# Altium PCB A_base2017.PcbDoc (part 1 of 4)
Units mil, origin at the board's own origin, x right, y up, seen from the top; angles counter-clockwise.
Board outline 3944.36 x 3947.83 mil, 2 copper layers (Top Layer, Bottom Layer); 105 components, 169 nets, 534 pads, 87 vias.
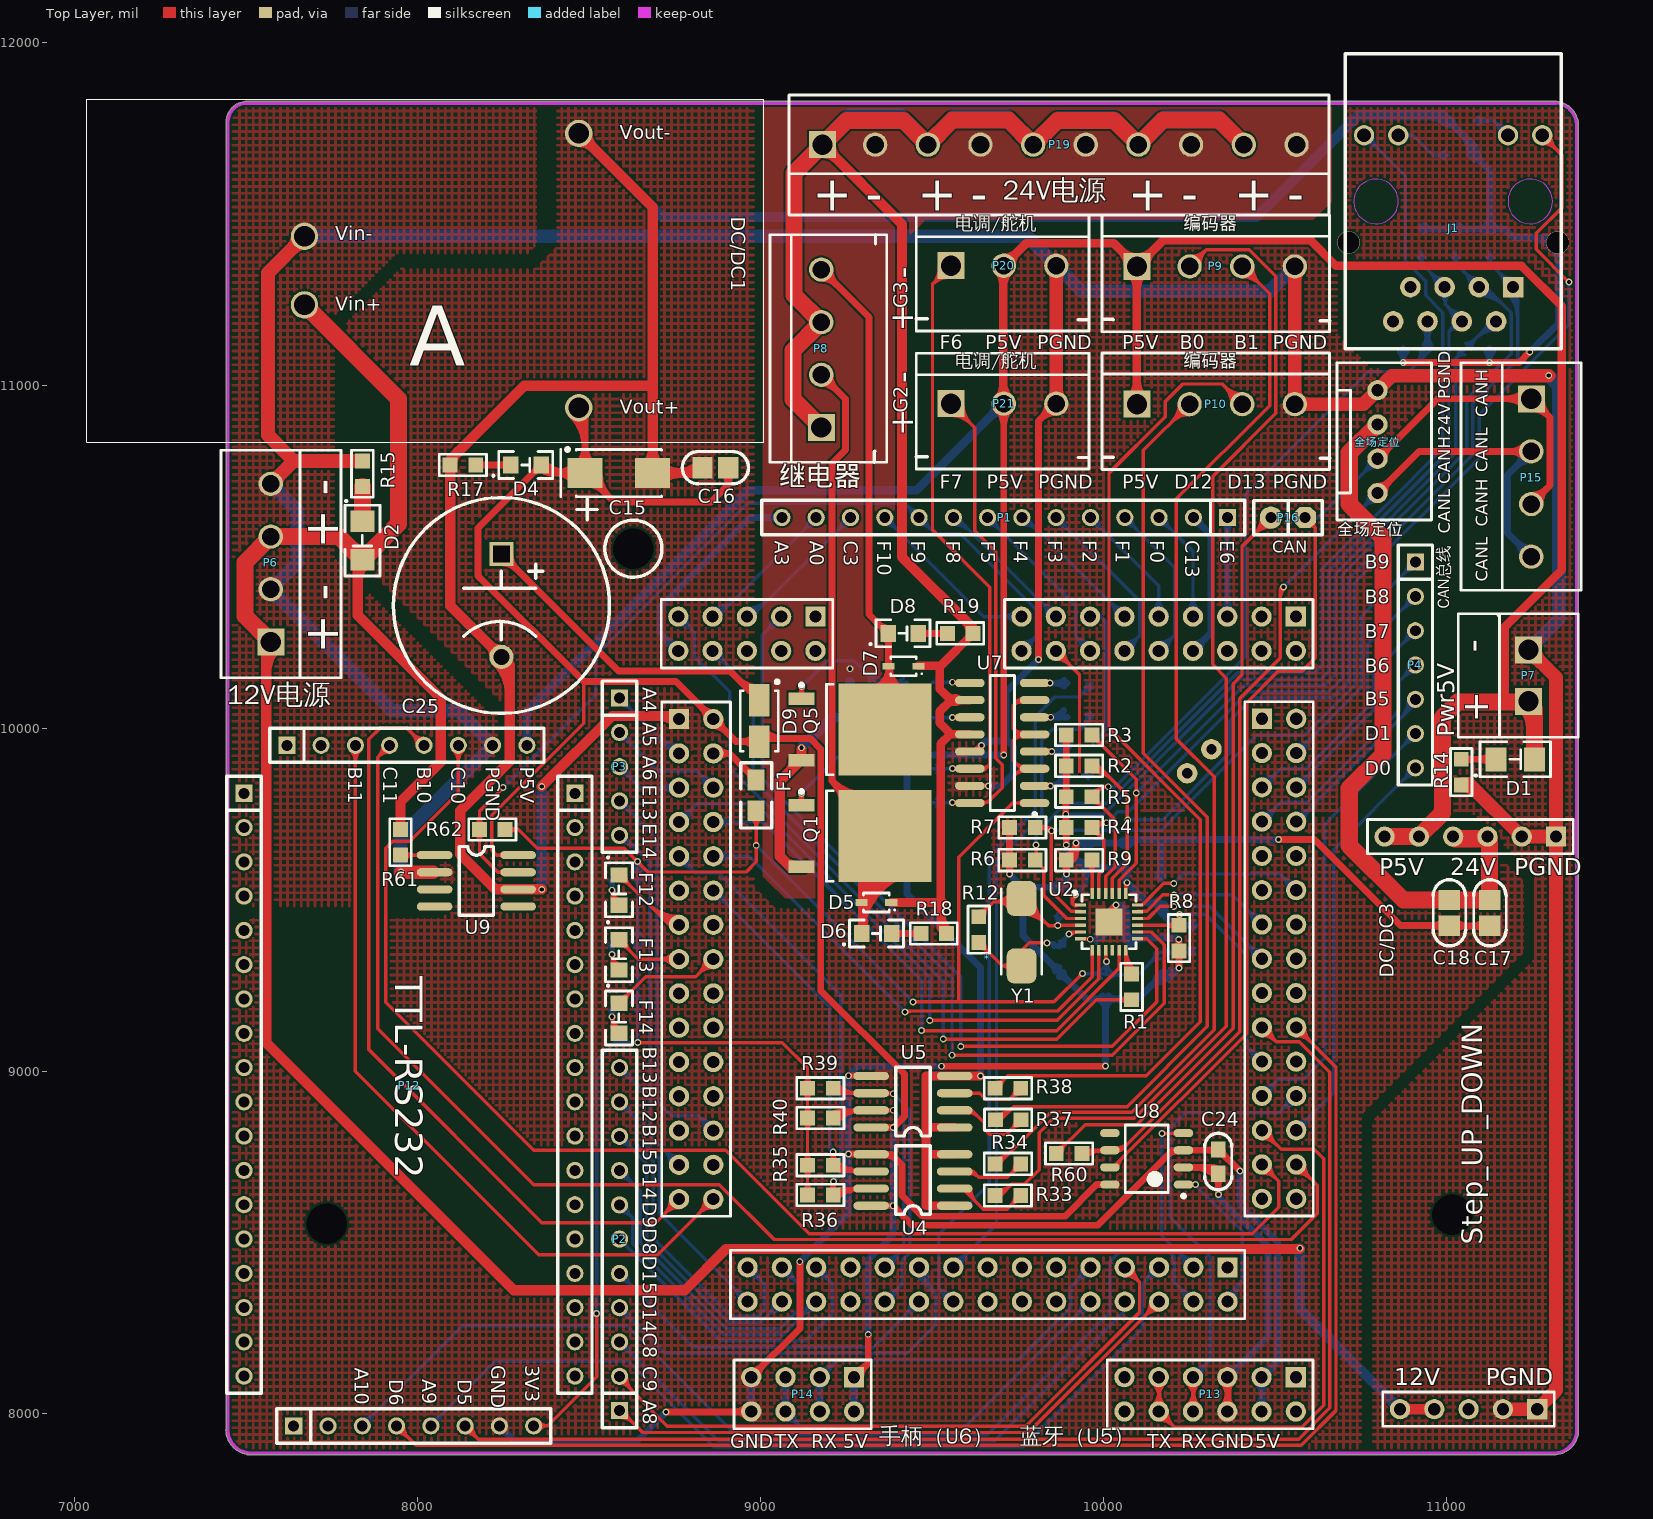
[diagram p0: Top Layer view]
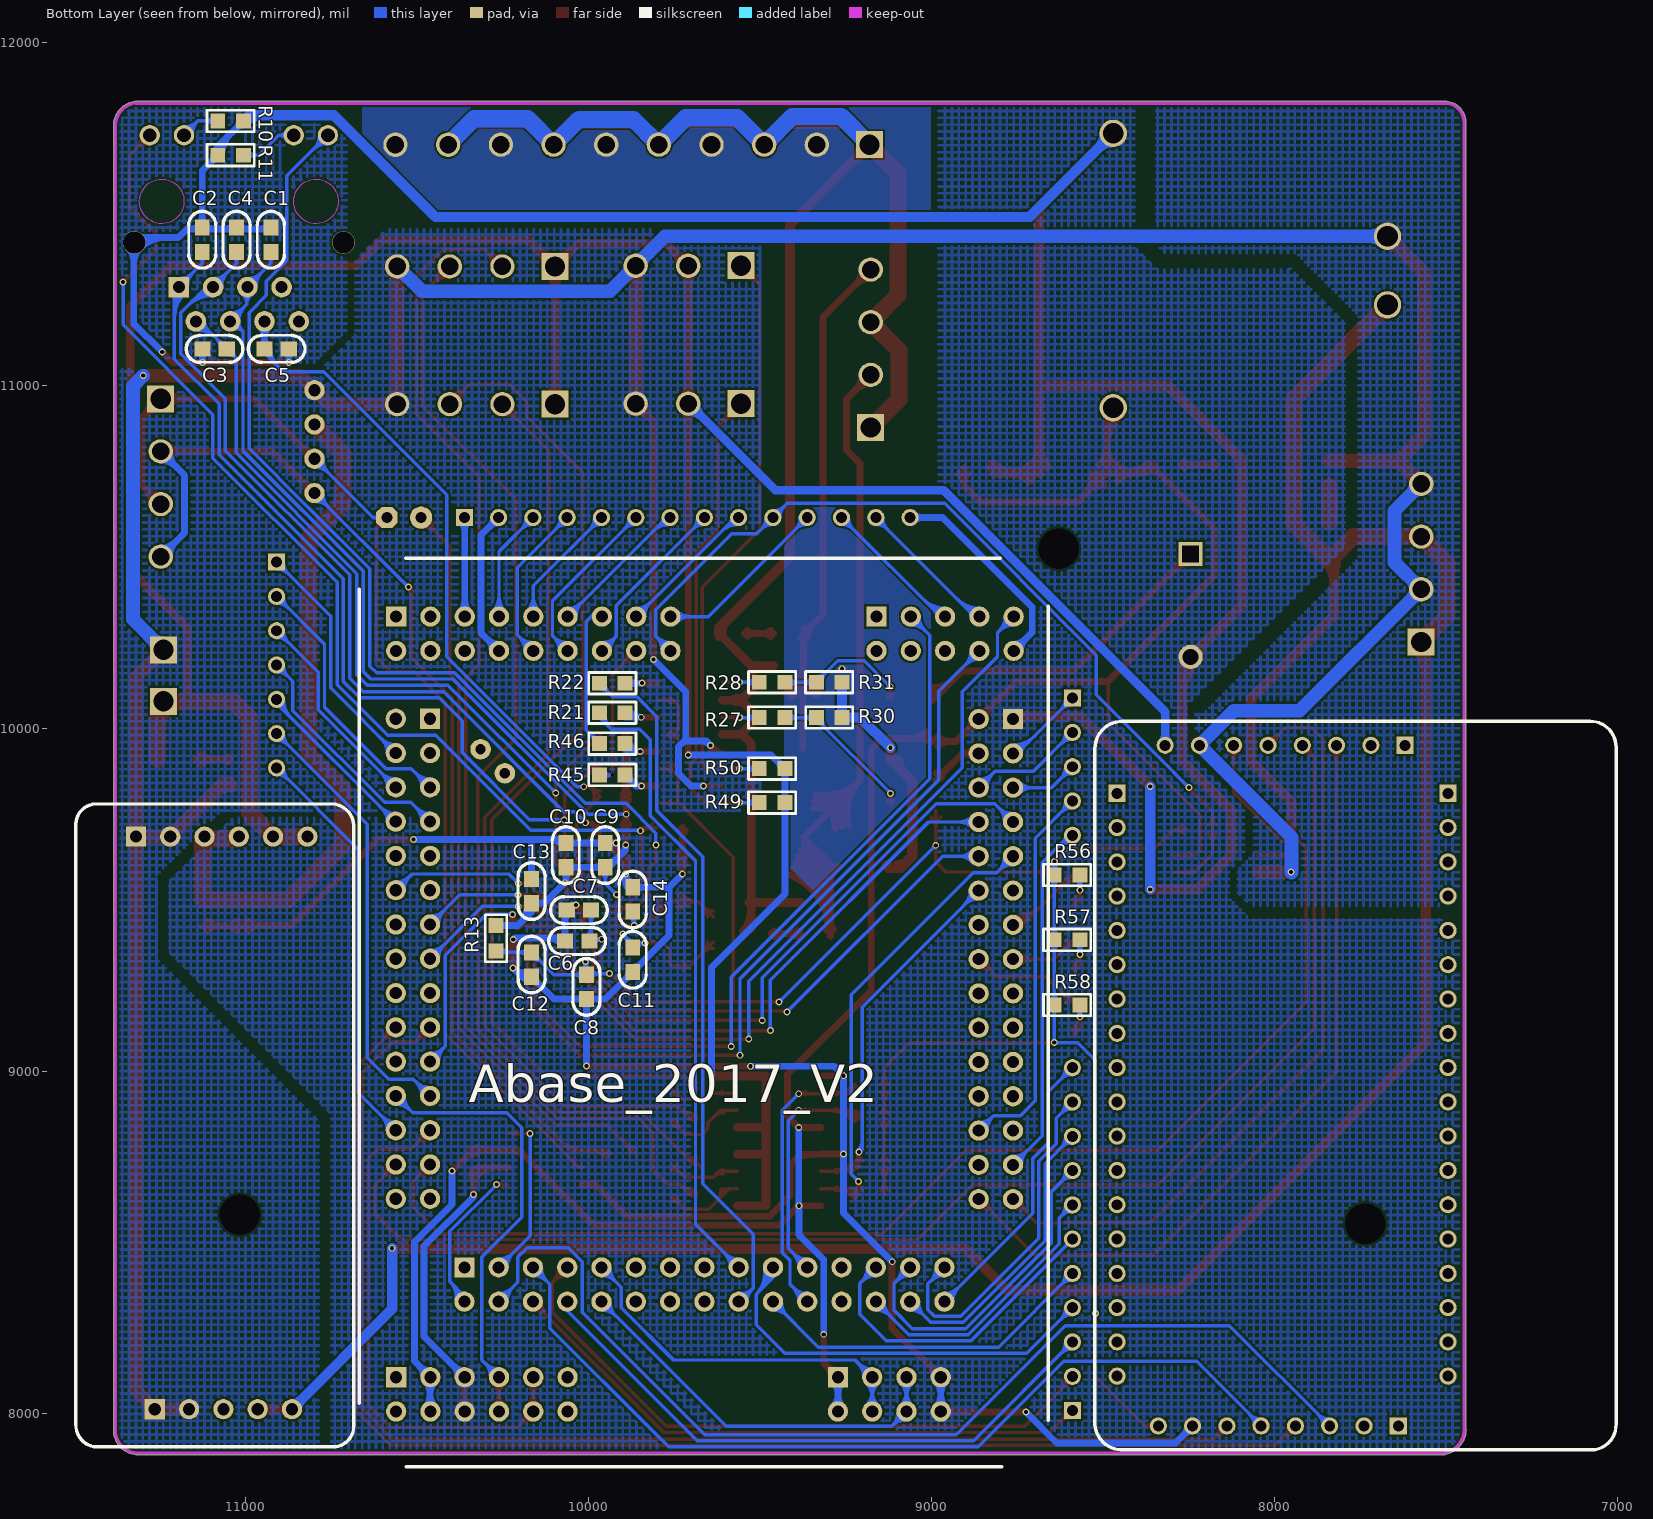
[diagram p1: Bottom Layer view, seen from below]

## Layer stack, top to bottom
Top Layer: signal copper 1.4
Dielectric: dielectric 12.6, FR-4, Dk 4.8
Bottom Layer: signal copper 1.4

## Board outline
7501.15,7882.56 cw(c7512.8,7953.74) 7440.85,7958.89 7440.85,11768.7 cw(c7445.87,11768.7) 7441.66,11771.43 cw(c7501.69,11767.91) 7501.69,11828.05 cw(c7501.69,11823.03) 7503.08,11827.85 11318.26,11827.85 cw(c11320.83,11823.54) 11321.42,11828.52 cw(c11312.99,11756.89) 11383.95,11769.84 cw(c11379.92,11766.85) 11384.94,11766.85 11384.94,11762.04 cw(c11312.99,11756.89) 11385.12,11756.89 cw(c11312.99,11756.89) 11384.94,11751.74 11384.94,7942.91 cw(c11379.92,7942.91) 11383.98,7939.96 cw(c11312.99,7952.76) 11307.84,7880.81 7504.95,7880.81 cw(c7504.95,7885.83)

## Design rules (kind name [scope] priority, off if disabled: settings)
Clearance [All] p1: gap=6
HoleSize [All] p1: absolutevalues=TRUE maxlimit=118.11 minlimit=1 maxpercent=80.000 minpercent=20.000
PolygonConnect [All] p1: connectstyle=Direct reliefconductorwidth=40 reliefentries=4 polygonreliefangle="45 Angle" airgapwidth=10
RoutingVias [All] p1: holewidth=10 width=50 viastyle="Through Hole" minholewidth=10 minwidth=10 maxholewidth=50 maxwidth=50
SolderMaskExpansion [All] p1: expansion=4
Width [All] p1: maxlimit=150 minlimit=8 preferedwidth=10
27 further rules are at their usual default settings.

## Components (designator, comment, footprint, x,y, rotation, side; value= is the part's Value field where it differs from the comment)
* "STM32F407" STM32F407 9751.97,9405.51 r270 top
C1 "223" CAP-MLCC-0603 10926.46,11460.12 r270 bottom
C2 "10pF" CAP-MLCC-0603 11126.46,11460.12 r270 bottom
C3 "10pF" CAP-MLCC-0603 11125.98,11106.3 r180 bottom
C4 "10pF" CAP-MLCC-0603 11026.46,11460.12 r270 bottom
C5 "10pF" CAP-MLCC-0603 10874.02,11106.3 r0 bottom
C6 "0.1μF" CAP-MLCC-0603 10068.3,9379.45 r180 bottom
C7 "10μF" CAP-MLCC-0603 10063.3,9469.45 r180 bottom
C8 "0.1μF" CAP-MLCC-0603 10006.02,9210.24 r90 bottom
C9 "0.1μF" CAP-MLCC-0603 9951.02,9665.24 r270 bottom
C10 "0.1μF" CAP-MLCC-0603 10066.02,9665.24 r270 bottom
C11 "22pF" CAP-MLCC-0603 9871.02,9360.24 r270 bottom
C12 "0.1μF" CAP-MLCC-0603 10166.02,9275.24 r90 bottom
C13 "10μF" CAP-MLCC-0603 10166.02,9560.24 r270 bottom
C14 "22pF" CAP-MLCC-0603 9871.02,9465.24 r90 bottom
C15 "CAP-TAN" CAP-TAN-6032/CAPC 8488.19,10744.09 r180 top
C16 "CAP" CAP-MLCC-0805 8830.71,10759.84 r0 top
C17 "CAP-TAN" CAP-MLCC-0805 11126.97,9499.02 r270 top
C18 "CAP" CAP-MLCC-0805 11008.86,9424.21 r90 top
C24 "0.1μF" CAP-MLCC-0603 10334.65,8771.65 r270 top
C25 "2.2F" CAP-RAD0.3 8244.09,10507.87 r270 top
D1 "LED" LED-1206 11200.79,9909.45 r0 top
D2 "LED" LED-1206 7838.58,10547.24 r270 top
D4 "LED" LED-0805 8271.65,10767.72 r0 top
D5 "ss34" s4肖特基二极管 9337.65,9491.61 r180 top
D6 "(BLUE)" LED-0805 9294.34,9401.06 r0 top
D7 "ss34" s4肖特基二极管 9416.63,10180.62 r180 top
D8 "(BLUE)" LED-0805 9371.65,10276.57 r0 top
D9 "IN****" SS34A 8996,10021 r270 top
DC/DC1 "DC/DC" 12V→5V 7394.69,11959.65 r90 top
DC/DC3 "Step_UP_DOWN" STEP_UP_DOWN 11074.8,8818.9 r90 top
F1 "00-FUSE-500mA" 0805R 8987,9849 r270 top
F12 "LED" LED-0805 8586.61,9571.85 r270 top
F13 "LED" LED-0805 8586.61,9382.87 r270 top
F14 "LED" LED-0805 8586.61,9197.83 r270 top
J1 "HR911105A" HR911105A 11019.68,11536.42 r0 top
P1 "Header 14" SIP14 9614,10634 r180 top
P2 "Header 11" SIP11 8588.58,8561.02 r90 top
P3 "Header 5" SIP5 8588.58,10087.6 r270 top
P4 "Header 7" SIP7 10909.45,10484.25 r270 top
P6 "Header 4" Green_4P 7476.38,10326.77 r90 top
P7 "Header 2" Green_2P 11334.65,10153.54 r270 top
P8 "Header 4" GREE_4P_ST 9228.35,11110.24 r90 top
P9 "Header 4" GREE_4P_ST 10330.71,11295.28 r0 top
P10 "Header 4" GREE_4P_ST 10330.71,10893.7 r0 top
P12 "TTL_RS232_V5" TTL-RS232_V5 7988.19,8988.19 r90 top
P13 "Header 6X2" HDR2X6 10561.02,8107.28 r180 top
P14 "Header 4X2" HDR2X4 9272.64,8107.28 r180 top
P15 "Header 4" Green_4P 11342.52,10885.83 r270 top
P16 "Header 2" SIP2 10488.19,10614.17 r0 top
P19 "Header 10" GREEN_10P 9712.6,11692.91 r0 top
P20 "Header 3" GREEN_3P_ST 9700.79,11295.28 r0 top
P21 "Header 3" GREEN_3P_ST 9700.79,10893 r0 top
Q1 "MOSFET N" LR7843 9290.35,9685.51 r0 top
Q5 "MOSFET N" LR7843 9290.35,9996.06 r0 top
R1 "510Ω" RES-0603 10082,9208 r90 top
R2 "49.9Ω" RES-0603 9966.02,9890.24 r180 top
R3 "49.9Ω" RES-0603 9966.02,9980.24 r180 top
R4 "49.9Ω" RES-0603 9966.02,9710.24 r180 top
R5 "49.9Ω" RES-0603 9966.02,9800.24 r180 top
R6 "10kΩ" RES-0603 9801.02,9615.24 r180 top
R7 "10kΩ" RES-0603 9801.02,9710.24 r180 top
R8 "10kΩ" RES-0603 10220.47,9425.2 r270 top
R9 "12.1kΩ" RES-0603 9966.02,9615.24 r180 top
R10 "510Ω" RES-0603 11006.34,11771.18 r0 bottom
R11 "510Ω" RES-0603 11081.34,11671.18 r180 bottom
R12 "1MΩ" RES-0603 9636.02,9450.24 r270 top
R13 "0Ω" RES-0603 10270,9350 r90 bottom
R14 "5.1K" RES-0603 11043.31,9834.65 r90 top
R15 "15KΩ" RES-0603 7838.58,10779.53 r270 top
R17 "RES" RES-0603 8169.29,10767.72 r180 top
R18 "22.1kΩ" RES-0603 9467.57,9401.06 r0 top
R19 "22.1kΩ" RES-0603 9619.68,10276.57 r180 top
R21 "330Ω" RES-0603 9968,10045 r180 bottom
R22 "330Ω" RES-0603 9968,10131 r180 bottom
R27 "1kΩ" RES-0603 9502,10031 r180 bottom
R28 "1kΩ" RES-0603 9502,10134 r180 bottom
R30 "1kΩ" RES-0603 9260.52,10031 r0 bottom
R31 "1kΩ" RES-0603 9260.72,10134 r0 bottom
R33 "330Ω" RES-0603 9683.63,8636.99 r0 top
R34 "330Ω" RES-0603 9684.06,8729.33 r0 top
R35 "4.7kΩ" RES-0603 9211.61,8725.39 r180 top
R36 "4.7kΩ" RES-0603 9211.61,8638.78 r180 top
R37 "330Ω" RES-0603 9684.63,8857.99 r0 top
R38 "330Ω" RES-0603 9684.06,8949.8 r0 top
R39 "4.7kΩ" RES-0603 9211.61,8949.8 r180 top
R40 "4.7kΩ" RES-0603 9211.61,8863.19 r180 top
R45 "RES" RES-0603 9968,9863.83 r180 bottom
R46 "RES" RES-0603 9968,9955 r180 bottom
R49 "RES" RES-0603 9502,9783 r180 bottom
R50 "RES" RES-0603 9502,9882 r180 bottom
R56 "RES" RES-0603 8566.93,9571.85 r0 bottom
R57 "RES" RES-0603 8566.93,9382.87 r0 bottom
R58 "RES" RES-0603 8566.93,9192.91 r0 bottom
R60 "120Ω" RES-0603 9937.01,8759.84 r180 top
R61 "1kΩ" RES-0603 7949.8,9704.72 r270 top
R62 "4.7kΩ" RES-0603 8254.92,9704.72 r180 top
U2 "LAN8720A" QFN24 10016.02,9435.24 r0 top
U4 "HCPL2630/2631" SOP8 9554.13,8607.28 r180 top
U5 "HCPL2630/2631" SOP8 9554.13,8835.63 r180 top
U7 "TLP281-4" SOIC16 9704.72,9956.81 r180 top
U8 "TJA1050" TJA1050 10125.98,8744.09 r180 top
U9 "HCPL2630/2631" SOP8 8061.02,9629.92 r0 top
Y1 "25MHz" Osc-6032 9761.02,9405.24 r270 top
全场定位 "Header 4" 2510_4P 10799.21,10785.83 r90 top

## Footprints (in the part's own frame and the unit in brackets; to place one, negate y for a bottom-side part, rotate by r counter-clockwise, add the part's x,y. Pads: shape width x height; smd on the part's side, far side on the other; paste and mask are expansions set on the pad)
12V→5V [mil]
  round 80 hole 60: Vin+(-725,-275) Vin-(-525,-275) Vout+(-1025,-1075) Vout-(-225,-1075)
  silkscreen extent -1125,-1615 -125,360
0805R [mil]
  rect 60x50 smd: 1(0,0) 2(90,0)
  silkscreen extent -50,-45 140,45
2510_4P [mm] "白色线座"
  round 1.5 hole 0.9: 1(-2.54,0) 2(0,0) 3(2.54,0) 4(5.08,0)
  silkscreen extent -4.54,-4 7.11,3
CAP-MLCC-0603 [mm]
  rect 1.2x1.1 smd: 1(0,0) 2(1.8,0)
  silkscreen extent -1.2,-1 3,1, body extent 0.02,-0.48 1.77,0.47, height 0.85
CAP-MLCC-0805 [mm]
  rect 1.5x1.6 smd: 1(0,0) 2(1.9,0)
  silkscreen extent -1.5,-1.2 3.4,1.2, body extent -0.15,-0.73 2.05,0.72, height 1.1
CAP-RAD0.3 [mm]
  rect 1.8x1.8 hole 1.2 square: 1(0,0)
  round 1.8 hole 1.2: 2(7.62,0)
  silkscreen extent -4.19,-8 11.81,8
CAP-TAN-6032/CAPC [mm]
  rect 2.6x2.2 smd: 1(0,0) 2(-5,0)
  silkscreen extent -5.65,-1.87 1.8,1.75
GREE_4P_ST [mm]
  rect 2x2 hole 1.5: 1(-5.924,1.306)
  round 1.8 hole 1.3: 2(-2.024,1.306) 3(1.876,1.306) 4(5.776,1.306)
  silkscreen extent -8.51,-3.53 8.36,5.1
Green_2P [mm]
  rect 2x2 hole 1.5: 1(-1.905,-2.413) 2(1.905,-2.413)
  silkscreen extent -4.57,-7.62 4.57,1.27
GREEN_3P_ST [mm]
  rect 2x2 hole 1.5: 1(-3.692,1.359)
  round 1.8 hole 1.3: 2(0.208,1.359) 3(4.108,1.359)
  silkscreen extent -6.28,-3.48 6.52,5.1
Green_4P [mm]
  rect 2x2 hole 1.5: 1(-1.905,-2.413)
  round 1.8 hole 1.3: 2(1.995,-2.413) 3(5.895,-2.413) 4(9.795,-2.413)
  silkscreen extent -4.57,-7.62 12.28,1.27
GREEN_10P [mm]
  rect 2x2 hole 1.5: 1(-13.513,0.229)
  round 1.8 hole 1.3: 2(-9.613,0.229) 3(-5.713,0.229) 4(-1.813,0.229) 5(2.087,0.229) 6(5.987,0.229) 7(9.887,0.229) 8(13.787,0.229) 9(17.7,0.224) 10(21.6,0.224)
  silkscreen extent -16,-4.98 24,3.91
HDR2X4 [mm] "Connector; Header; 4x2 Position"
  rect 1.5x1.5 hole 0.9: 1(0,0)
  round 1.5 hole 0.9: 2(0,2.54) 3(2.54,0) 4(2.54,2.54) 5(5.08,0) 6(5.08,2.54) 7(7.62,0) 8(7.62,2.54)
  silkscreen extent -1.27,-1.27 8.89,3.81
HDR2X6 [mm] "Connector; Header; 6x2 Position"
  rect 1.5x1.5 hole 0.9: 1(0,0)
  round 1.5 hole 0.9: 2(0,2.54) 3(2.54,0) 4(2.54,2.54) 5(5.08,0) 6(5.08,2.54) 7(7.62,0) 8(7.62,2.54) 9(10.16,0) 10(10.16,2.54) 11(12.7,0) 12(12.7,2.54)
  silkscreen extent -1.27,-1.27 13.97,3.81
HR911105A [mm]
  rect 1.524x1.524 hole 0.889: 1(4.45,-6.35)
  round 1.524 hole 0.889: 2(3.18,-8.89) 3(1.91,-6.35) 4(0.64,-8.89) 5(-0.63,-6.35) 6(-1.9,-8.89) 7(-3.17,-6.35) 8(-4.44,-8.89)
  round 1.5 hole 1.02: 9(6.6,4.9) 10(4.064,4.9) 11(-4.064,4.9) 12(-6.6,4.9)
  round 1.7 hole 1.65: 13(7.75,-3.048) 14(-7.75,-3.048)
  Keep-Out Layer circle w0.051: c5.716,0 r1.65
  Keep-Out Layer circle w0.051: c-5.714,0 r1.65
  silkscreen extent -8,-10.92 8,10.92
LED-0805 [mil]
  rect 45x50 smd: 1(88,0) 2(0,0)
  silkscreen extent -52,-39 122,39
LED-1206 [mil]
  rect 62x70 smd: 1(56,0) 2(-56,0)
  silkscreen extent -116,-51 103,51
LR7843 [mm] "D-PAK, 3-Pads, Body 6.20x6.72mm (max), IPC Medium Density"
  rect 6.9x6.8 smd: D(1.85,0)
  rect 1.9x0.95 smd: G(-4.35,2.28) S(-4.35,-2.28)
  silkscreen extent -4.47,-3.35 -2,3.43, body extent -2.5,-3.35 3.7,3.35, height 2.38
Osc-6032 [mm]
  rrect50% 2.6x2.2 smd: 1(-2.5,0) 2(2.5,0)
  silkscreen extent -3.2,-1.5 3.1,1.5
QFN24 [mm]
  rect 0.8x0.25 smd: 1(-2.101,1.25) 2(-2.101,0.75) 3(-2.101,0.25) 4(-2.101,-0.25) 5(-2.101,-0.75) 6(-2.101,-1.25) 13(2.101,-1.25) 14(2.101,-0.75) 15(2.101,-0.25) 16(2.101,0.25) 17(2.101,0.75) 18(2.101,1.25)
  rect 0.25x0.8 smd: 7(-1.25,-2.101) 8(-0.75,-2.101) 9(-0.25,-2.101) 10(0.25,-2.101) 11(0.75,-2.101) 12(1.25,-2.101) 19(1.25,2.101) 20(0.75,2.101) 21(0.25,2.101) 22(-0.25,2.101) 23(-0.75,2.101) 24(-1.25,2.101)
  rect 2x2 smd: 25(0,0)
  silkscreen extent -2.66,-2 2,2.28
RES-0603 [mm]
  rect 1.1x1.1 smd: 1(0,0) 2(1.9,0)
  silkscreen extent -0.8,-0.8 2.7,0.8, body extent 0.1,-0.48 1.8,0.47, height 0.6
s4肖特基二极管 [mm]
  rect 0.9x0.5 smd: A(1.1,0) K(-1.1,0)
  silkscreen extent -1.4,-0.7 0.95,0.7, body extent -0.9,-0.67 0.9,0.67, height 1
SIP2 [mil]
  round 65 hole 32: 1(0,0)
  oct 62x62 hole 32: 2(100,0)
  silkscreen extent -50,-50 150,50
SIP5 [mil]
  rect 50x50 hole 32: 1(0,0)
  round 50 hole 32: 2(100,0) 3(200,0) 4(300,0) 5(400,0)
  silkscreen extent -50,-50 450,50
SIP7 [mil]
  rect 50x50 hole 32: 1(0,0)
  round 50 hole 32: 2(100,0) 3(200,0) 4(300,0) 5(400,0) 6(500,0) 7(600,0)
  silkscreen extent -50,-50 650,50
SIP11 [mil]
  rect 50x50 hole 32: 1(-551.18,0)
  round 50 hole 32: 2(-451.18,0) 3(-351.18,0) 4(-251.18,0) 5(-151.18,0) 6(-51.18,0) 7(48.82,0) 8(148.82,0) 9(248.82,0) 10(348.82,0) 11(448.82,0)
  silkscreen extent -601,-50 500,50
SIP14 [mm]
  rect 1.27x1.27 hole 0.813: 1(-19,0.5)
  round 1.27 hole 0.813: 2(-16.46,0.5) 3(-13.92,0.5) 4(-11.38,0.5) 5(-8.84,0.5) 6(-6.3,0.5) 7(-3.76,0.5) 8(-1.22,0.5) 9(1.32,0.5) 10(3.86,0.5) 11(6.4,0.5) 12(8.94,0.5) 13(11.48,0.5) 14(14.02,0.5)
  silkscreen extent -20.27,-0.77 15.5,1.77
SOIC16 [mm] "SOIC, 16-Leads, Body 9.90x3.90mm, Pitch 1.27mm, IPC Medium Density"
  oval 2.2x0.6 smd: 1(-2.4,4.445) 2(-2.4,3.175) 3(-2.4,1.905) 4(-2.4,0.635) 5(-2.4,-0.635) 6(-2.4,-1.905) 7(-2.4,-3.175) 8(-2.4,-4.445) 9(2.4,-4.445) 10(2.4,-3.175) 11(2.4,-1.905) 12(2.4,-0.635) 13(2.4,0.635) 14(2.4,1.905) 15(2.4,3.175) 16(2.4,4.445)
  silkscreen extent -2.53,-5 0.9,5.42, body extent -2,-5 2,5, height 1.75
SOP8 [mil]
  oval 103.62x24 smd: 1(-11.81,0) 2(-11.81,-50) 3(-11.81,-100) 4(-11.81,-150) 5(231.81,-150) 6(231.81,-100) 7(231.81,-50) 8(231.81,0)
  silkscreen extent 60,-175 160,25
SS34A [mm]
  rect 2.4x1.55 smd: A(1.525,0) K(-1.525,0)
  silkscreen extent -3.02,-1.4 2.25,1.45, body extent -2.25,-1.4 2.25,1.39, height 2.29
STEP_UP_DOWN [mm]
  rect 1.5x1.5 hole 0.9: 1(-20.447,-4.826) 6(21.971,-6.223)
  round 1.5 hole 0.9: 2(-20.447,-2.286) 3(-20.447,0.254) 4(-20.447,2.794) 5(-20.447,5.334) 7(21.971,-3.683) 8(21.971,-1.143) 9(21.971,1.397) 10(21.971,3.937) 11(21.971,6.477)
  silkscreen extent -21.72,-7.49 23.24,7.75
STM32F407 [mm]
  rect 1.5x1.5 hole 0.9: 1(-23.368,20.549) 19(-23.368,-15.037) 29(-15.773,-25.146) 59(24.841,15.494) 89(-15.799,18.034)
  round 1.5 hole 0.9: 2(-20.828,20.549) 3(-23.368,18.009) 4(-20.828,18.009) 5(-23.368,15.469) 6(-20.828,15.469) 7(-23.368,12.929) 8(-20.828,12.929) 9(-23.368,10.389) 10(-20.828,10.389) 11(-23.368,7.849) 12(-20.828,7.849) 13(-23.368,5.309) 14(-20.828,5.309) 15(-23.368,2.769) 16(-20.828,2.769) 17(-23.368,0.229) 18(-20.828,0.229) 20(-20.828,-15.037) 21(-23.368,-17.577) 22(-20.828,-17.577) 23(-23.368,-20.117) 24(-20.828,-20.117) 25(-23.368,-22.657) 26(-20.828,-22.657) 27(-23.368,-25.197) 28(-20.828,-25.197) 30(-15.773,-22.606) 31(-13.233,-25.146) 32(-13.233,-22.606) 33(-10.693,-25.146) 34(-10.693,-22.606) 35(-8.153,-25.146) 36(-8.153,-22.606) 37(-5.613,-25.146) 38(-5.613,-22.606) 39(-3.073,-25.146) 40(-3.073,-22.606) 41(-0.533,-25.146) 42(-0.533,-22.606) 43(2.007,-25.146) 44(2.007,-22.606) 45(4.547,-25.146) 46(4.547,-22.606) 47(7.087,-25.146) 48(7.087,-22.606) 49(9.627,-25.146) 50(9.627,-22.606) 51(12.167,-25.146) 52(12.167,-22.606) 53(14.707,-25.146) 54(14.707,-22.606) 55(17.247,-25.146) 56(17.247,-22.606) 57(19.787,-25.146) 58(19.787,-22.606) 60(27.381,15.494) 61(24.841,12.954) 62(27.381,12.954) 63(24.841,10.414) 64(27.381,10.414) 65(24.841,7.874) 66(27.381,7.874) 67(24.841,5.334) 68(27.381,5.334) 69(24.841,2.794) 70(27.381,2.794) 71(24.841,0.254) 72(27.381,0.254) 73(24.841,-2.286) 74(27.381,-2.286) 75(24.841,-4.826) 76(27.381,-4.826) 77(24.841,-7.366) 78(27.381,-7.366) 79(24.841,-9.906) 80(27.381,-9.906) 81(24.841,-12.446) 82(27.381,-12.446) 83(24.841,-14.986) 84(27.381,-14.986) 85(24.841,-17.526) 86(27.381,-17.526) 87(24.841,-20.066) 88(27.381,-20.066) 90(-15.799,20.574) 91(-13.259,18.034) 92(-13.259,20.574) 93(-10.719,18.034) 94(-10.719,20.574) 95(-8.179,18.034) 96(-8.179,20.574) 97(-5.639,18.034) 98(-5.639,20.574) 99(-3.099,18.034) 100(-3.099,20.574) 101(-0.559,18.034) 102(-0.559,20.574) 103(1.981,18.034) 104(1.981,20.574) 105(4.521,18.034) 106(4.521,20.574) 107(7.061,18.034) 108(7.061,20.574) 109(9.601,18.034) 110(9.601,20.574) 111(12.141,18.034) 112(12.141,20.574) 113(14.681,18.034) 114(14.681,20.574) 115(17.221,18.034) 116(17.221,20.574) 117(19.761,18.034) 118(19.761,20.574)